# KiCad board demomatrix.kicad_pcb (continued)
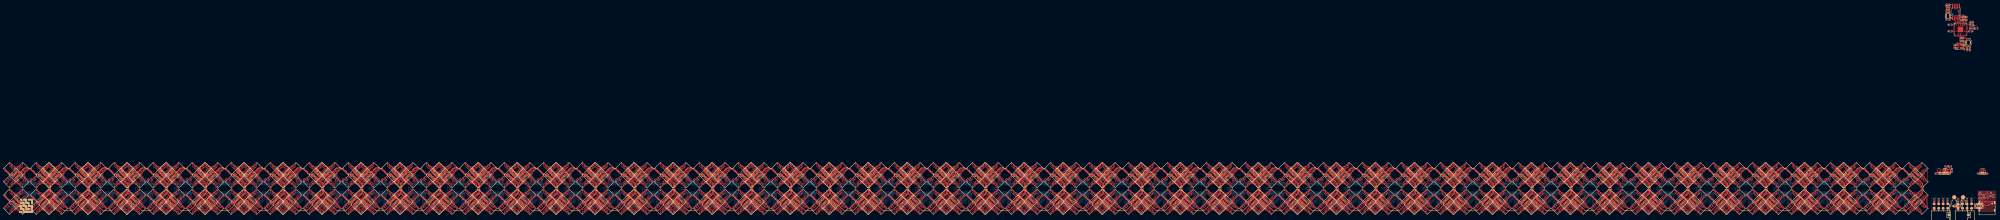
[diagram p0: board, top side]
## Routing (per net, layer and track width the routed paths; a pad name or vN(x,y) marks a point on that pad's centre or on a via; arc(x,y) is an arc through that point) (continued)
  Bottom w0.2: v1(-754.77,15.8) -754.65,15.8 ; -754.65,15.8 -754.58,15.87 ; -754.65,15.8 -754.13,16.32 -754.13,16.32 -753.78,16.67 -753.78,16.68 -753.37,17.08 -753.14,17.31 -752.79,17.66 -752.79,17.67 -752.77,17.69 -752.46,17.69 -752.37,17.69 -752.03,17.69 -749.83,19.89 -746.04,19.89 -743.24,17.09 -743.24,16.89 U116.5
rgbs[3]-cathodes-cathode-241: length 9.4
  Top w0.2: v1(-739.72,2.28) -740.41,2.97 LED384.3
  Bottom w0.2: v1(-739.72,2.28) -740.07,2.63 U116.15
rgbs[3]-cathodes-cathode-242: length 10.7
  Top w0.2: LED384.1 -741.26,2.17 v1(-740.36,1.27)
  Bottom w0.2: v1(-740.36,1.27) -740.7,1.61 U116.16
rgbs[3]-cathodes-cathode-243: length 21.3
  Top w0.2: v1(-755.23,1.21) -755.25,1.21 LED380.1
  Bottom w0.2: U116.17 -741.27,10.46 -741.27,9.75 -741.37,9.65 -741.37,6.91 -745.39,2.89 -751.86,2.89 -753.54,1.21 v1(-755.23,1.21)
rgbs[3]-cathodes-cathode-244: length 19.3
  Top w0.2: LED380.3 -754.51,2.17 v1(-754.44,2.17)
  Bottom w0.2: v1(-754.44,2.17) -753.15,2.17 -752.02,3.29 -745.56,3.29 -741.97,6.88 U116.18
rgbs[3]-cathodes-cathode-245: length 17.6
  Top w0.2: LED380.5 -753.6,2.96 v1(-753.6,2.94)
  Bottom w0.2: v1(-753.6,2.94) -752.94,2.94 -752.19,3.69 -745.72,3.69 -742.61,6.81 U116.19
rgbs[3]-cathodes-cathode-246: length 15.2
  Top w0.2: v1(-752.89,4) -752.95,4 -753.43,4.48
  Bottom w0.2: v1(-752.89,4) -752.8,4.09 -745.89,4.09 -743.24,6.74 U116.20
rgbs[3]-cathodes-cathode-247: length 17.3
  Top w0.2: LED372.3 -754.38,17.03 v1(-754.38,16.92)
  Bottom w0.2: U116.6 -742.61,17.02 -745.88,20.29 -750,20.29 -752.2,18.09 -752.62,18.09 -752.62,18.09 -752.93,18.09 -753.19,17.83 -753.19,17.83 -753.54,17.48 -753.92,17.09 -754.21,17.09 v1(-754.38,16.92)
rgbs[3]-cathodes-cathode-248: length 16.9
  Top w0.2: LED372.5 -753.79,18.14 v1(-753.79,18.08)
  Bottom w0.2: U116.7 -741.97,16.95 -745.71,20.69 -750.16,20.69 -752.37,18.49 -752.79,18.49 -753.1,18.49 -753.65,17.94 v1(-753.79,18.08)
rgbs[3]-cathodes-cathode-249: length 16.1
  Top w0.2: v1(-753.04,19.09) -753.04,19.09 -753.43,19.48
  Bottom w0.2: U116.8 -741.34,16.89 -745.55,21.09 -750.33,21.09 -752.53,18.89 -752.84,18.89 v1(-753.04,19.09)
rgbs[3]-cathodes-cathode-250: length 4.1
  Top w0.2: v1(-741.81,18.21) -741.26,17.66 LED376.1
  Bottom w0.2: v1(-741.81,18.21) -740.7,17.1 U116.9
rgbs[3]-cathodes-cathode-251: length 4.5
  Top w0.2: v1(-741.2,18.72) -741.07,18.72 LED376.3
  Bottom w0.2: v1(-741.2,18.72) -740.07,17.59 U116.10
rgbs[3]-cathodes-cathode-252: length 3.2
  Top w0.2: LED376.5 -739.42,18.78 v1(-739.42,17.52)
  Bottom w0.2: v1(-739.42,17.52) -739.43,17.51 U116.11
rgbs[3]-cathodes-cathode-253: length 3.7
  Top w0.2: -738.53,19.33 -738.53,18.27 v1(-738.79,18.01)
  Bottom w0.2: U116.12 -738.8,18 v1(-738.79,18.01)
rgbs[3]-cathodes-cathode-254: length 7.9
  Top w0.2: LED384.7 -738.72,4.74 v1(-737.98,4)
  Bottom w0.2: v1(-737.98,4) -738.8,4.82 U116.13
rgbs[3]-cathodes-cathode-255: length 8.7
  Top w0.2: LED384.5 -738.9,3.25 v1(-738.9,3.1)
  Bottom w0.2: U116.14 -739.43,3.64 v1(-738.9,3.1)
rgbs[3]-cathodes-cathode-256: length 17.9
  Top w0.2: v1(-732.77,15.8) -732.85,15.8 LED388.1
  Bottom w0.2: v1(-732.77,15.8) -732.65,15.8 ; -732.65,15.8 -732.13,16.32 -732.13,16.32 -731.78,16.67 -731.78,16.68 -731.37,17.08 -731.14,17.31 -730.79,17.66 -730.79,17.67 -730.77,17.69 -730.46,17.69 -730.37,17.69 -730.03,17.69 -727.83,19.89 -724.04,19.89 -721.24,17.09 -721.24,16.89 U121.5 ; -732.65,15.8 -732.58,15.87
rgbs[3]-cathodes-cathode-257: length 9.4
  Top w0.2: v1(-717.72,2.28) -718.41,2.97 LED400.3
  Bottom w0.2: U121.15 -718.07,2.63 v1(-717.72,2.28)
rgbs[3]-cathodes-cathode-258: length 10.7
  Top w0.2: LED400.1 -719.26,2.17 v1(-718.36,1.27)
  Bottom w0.2: U121.16 -718.7,1.61 v1(-718.36,1.27)
rgbs[3]-cathodes-cathode-259: length 21.3
  Top w0.2: v1(-733.23,1.21) -733.25,1.21 LED396.1
  Bottom w0.2: v1(-733.23,1.21) -731.54,1.21 -729.86,2.89 -723.39,2.89 -719.37,6.91 -719.37,9.65 -719.27,9.75 -719.27,10.46 U121.17
rgbs[3]-cathodes-cathode-260: length 19.3
  Top w0.2: LED396.3 -732.51,2.17 v1(-732.44,2.17)
  Bottom w0.2: v1(-732.44,2.17) -731.15,2.17 -730.02,3.29 -723.56,3.29 -719.97,6.88 U121.18
rgbs[3]-cathodes-cathode-261: length 17.6
  Top w0.2: LED396.5 -731.6,2.96 v1(-731.6,2.94)
  Bottom w0.2: v1(-731.6,2.94) -730.94,2.94 -730.19,3.69 -723.72,3.69 -720.61,6.81 U121.19
rgbs[3]-cathodes-cathode-262: length 15.2
  Top w0.2: -731.43,4.48 -730.95,4 v1(-730.89,4)
  Bottom w0.2: U121.20 -721.24,6.74 -723.89,4.09 -730.8,4.09 v1(-730.89,4)
rgbs[3]-cathodes-cathode-263: length 17.3
  Top w0.2: LED388.3 -732.38,17.03 v1(-732.38,16.92)
  Bottom w0.2: v1(-732.38,16.92) -732.21,17.09 -731.92,17.09 -731.54,17.48 -731.19,17.83 -731.19,17.83 -730.93,18.09 -730.62,18.09 -730.62,18.09 -730.2,18.09 -728,20.29 -723.88,20.29 -720.61,17.02 U121.6
rgbs[3]-cathodes-cathode-264: length 16.9
  Top w0.2: v1(-731.79,18.08) -731.79,18.14 LED388.5
  Bottom w0.2: U121.7 -719.97,16.95 -723.71,20.69 -728.16,20.69 -730.37,18.49 -730.79,18.49 -731.1,18.49 -731.65,17.94 v1(-731.79,18.08)
rgbs[3]-cathodes-cathode-265: length 16.1
  Top w0.2: v1(-731.04,19.09) -731.04,19.09 -731.43,19.48
  Bottom w0.2: U121.8 -719.34,16.89 -723.55,21.09 -728.33,21.09 -730.53,18.89 -730.84,18.89 v1(-731.04,19.09)
rgbs[3]-cathodes-cathode-266: length 4.1
  Top w0.2: LED392.1 -719.26,17.66 v1(-719.81,18.21)
  Bottom w0.2: v1(-719.81,18.21) -718.7,17.1 U121.9
rgbs[3]-cathodes-cathode-267: length 4.5
  Top w0.2: LED392.3 -719.07,18.72 v1(-719.2,18.72)
  Bottom w0.2: U121.10 -718.07,17.59 v1(-719.2,18.72)
rgbs[3]-cathodes-cathode-268: length 3.2
  Top w0.2: LED392.5 -717.42,18.78 v1(-717.42,17.52)
  Bottom w0.2: U121.11 -717.43,17.51 v1(-717.42,17.52)
rgbs[3]-cathodes-cathode-269: length 3.7
  Top w0.2: -716.53,19.33 -716.53,18.27 v1(-716.79,18.01)
  Bottom w0.2: U121.12 -716.8,18 v1(-716.79,18.01)
rgbs[3]-cathodes-cathode-270: length 7.9
  Top w0.2: v1(-715.98,4) -716.72,4.74 LED400.7
  Bottom w0.2: v1(-715.98,4) -716.8,4.82 U121.13
rgbs[3]-cathodes-cathode-271: length 8.7
  Top w0.2: v1(-716.9,3.1) -716.9,3.25 LED400.5
  Bottom w0.2: U121.14 -717.43,3.64 v1(-716.9,3.1)
rgbs[3]-cathodes-cathode-272: length 17.9
  Top w0.2: LED404.1 -710.85,15.8 v1(-710.77,15.8)
  Bottom w0.2: -710.58,15.87 -710.65,15.8 ; -710.65,15.8 -710.13,16.32 -710.13,16.32 -709.78,16.67 -709.78,16.68 -709.37,17.08 -709.14,17.31 -708.79,17.66 -708.79,17.67 -708.77,17.69 -708.46,17.69 -708.37,17.69 -708.03,17.69 -705.83,19.89 -702.04,19.89 -699.24,17.09 -699.24,16.89 U126.5 ; -710.65,15.8 v1(-710.77,15.8)
rgbs[3]-cathodes-cathode-273: length 9.4
  Top w0.2: v1(-695.72,2.28) -696.41,2.97 LED416.3
  Bottom w0.2: v1(-695.72,2.28) -696.07,2.63 U126.15
rgbs[3]-cathodes-cathode-274: length 10.7
  Top w0.2: LED416.1 -697.26,2.17 v1(-696.36,1.27)
  Bottom w0.2: U126.16 -696.7,1.61 v1(-696.36,1.27)
rgbs[3]-cathodes-cathode-275: length 21.3
  Top w0.2: v1(-711.23,1.21) -711.25,1.21 LED412.1
  Bottom w0.2: U126.17 -697.27,10.46 -697.27,9.75 -697.37,9.65 -697.37,6.91 -701.39,2.89 -707.86,2.89 -709.54,1.21 v1(-711.23,1.21)
rgbs[3]-cathodes-cathode-276: length 19.3
  Top w0.2: LED412.3 -710.51,2.17 v1(-710.44,2.17)
  Bottom w0.2: U126.18 -697.97,6.88 -701.56,3.29 -708.02,3.29 -709.15,2.17 v1(-710.44,2.17)
rgbs[3]-cathodes-cathode-277: length 17.6
  Top w0.2: LED412.5 -709.6,2.96 v1(-709.6,2.94)
  Bottom w0.2: U126.19 -698.61,6.81 -701.72,3.69 -708.19,3.69 -708.94,2.94 v1(-709.6,2.94)
rgbs[3]-cathodes-cathode-278: length 15.2
  Top w0.2: -709.43,4.48 -708.95,4 v1(-708.89,4)
  Bottom w0.2: U126.20 -699.24,6.74 -701.89,4.09 -708.8,4.09 v1(-708.89,4)
rgbs[3]-cathodes-cathode-279: length 17.3
  Top w0.2: v1(-710.38,16.92) -710.38,17.03 LED404.3
  Bottom w0.2: U126.6 -698.61,17.02 -701.88,20.29 -706,20.29 -708.2,18.09 -708.62,18.09 -708.62,18.09 -708.93,18.09 -709.19,17.83 -709.19,17.83 -709.54,17.48 -709.92,17.09 -710.21,17.09 v1(-710.38,16.92)
rgbs[3]-cathodes-cathode-280: length 16.9
  Top w0.2: LED404.5 -709.79,18.14 v1(-709.79,18.08)
  Bottom w0.2: v1(-709.79,18.08) -709.65,17.94 -709.1,18.49 -708.79,18.49 -708.7,18.49 -708.37,18.49 -706.16,20.69 -701.71,20.69 -697.97,16.95 U126.7
rgbs[3]-cathodes-cathode-281: length 16.1
  Top w0.2: v1(-709.04,19.09) -709.04,19.09 -709.43,19.48
  Bottom w0.2: U126.8 -697.34,16.89 -701.55,21.09 -706.33,21.09 -708.53,18.89 -708.84,18.89 v1(-709.04,19.09)
rgbs[3]-cathodes-cathode-282: length 4.1
  Top w0.2: v1(-697.81,18.21) -697.26,17.66 LED408.1
  Bottom w0.2: U126.9 -696.7,17.1 v1(-697.81,18.21)
rgbs[3]-cathodes-cathode-283: length 4.5
  Top w0.2: LED408.3 -697.07,18.72 v1(-697.2,18.72)
  Bottom w0.2: v1(-697.2,18.72) -696.07,17.59 U126.10
rgbs[3]-cathodes-cathode-284: length 3.2
  Top w0.2: LED408.5 -695.42,18.78 v1(-695.42,17.52)
  Bottom w0.2: v1(-695.42,17.52) -695.43,17.51 U126.11
rgbs[3]-cathodes-cathode-285: length 3.7
  Top w0.2: -694.53,19.33 -694.53,18.27 v1(-694.79,18.01)
  Bottom w0.2: U126.12 -694.8,18 v1(-694.79,18.01)
rgbs[3]-cathodes-cathode-286: length 7.9
  Top w0.2: LED416.7 -694.72,4.74 v1(-693.98,4)
  Bottom w0.2: U126.13 -694.8,4.82 v1(-693.98,4)
rgbs[3]-cathodes-cathode-287: length 8.7
  Top w0.2: v1(-694.9,3.1) -694.9,3.25 LED416.5
  Bottom w0.2: U126.14 -695.43,3.64 v1(-694.9,3.1)
rgbs[3]-cathodes-cathode-288: length 17.9
  Top w0.2: LED420.1 -688.85,15.8 v1(-688.77,15.8)
  Bottom w0.2: -688.65,15.8 -688.13,16.32 -688.13,16.32 -687.78,16.67 -687.78,16.68 -687.37,17.08 -687.14,17.31 -686.79,17.66 -686.79,17.67 -686.77,17.69 -686.46,17.69 -686.37,17.69 -686.03,17.69 -683.83,19.89 -680.04,19.89 -677.24,17.09 -677.24,16.89 U131.5 ; -688.65,15.8 v1(-688.77,15.8) ; -688.65,15.8 -688.58,15.87
rgbs[3]-cathodes-cathode-289: length 9.4
  Top w0.2: LED432.3 -674.41,2.97 v1(-673.72,2.28)
  Bottom w0.2: U131.15 -674.07,2.63 v1(-673.72,2.28)
rgbs[3]-cathodes-cathode-290: length 10.7
  Top w0.2: v1(-674.36,1.27) -675.26,2.17 LED432.1
  Bottom w0.2: U131.16 -674.7,1.61 v1(-674.36,1.27)
rgbs[3]-cathodes-cathode-291: length 21.3
  Top w0.2: LED428.1 -689.25,1.21 v1(-689.23,1.21)
  Bottom w0.2: U131.17 -675.27,10.46 -675.27,9.75 -675.37,9.65 -675.37,6.91 -679.39,2.89 -685.86,2.89 -687.54,1.21 v1(-689.23,1.21)
rgbs[3]-cathodes-cathode-292: length 19.3
  Top w0.2: LED428.3 -688.51,2.17 v1(-688.44,2.17)
  Bottom w0.2: v1(-688.44,2.17) -687.15,2.17 -686.02,3.29 -679.56,3.29 -675.97,6.88 U131.18
rgbs[3]-cathodes-cathode-293: length 17.6
  Top w0.2: v1(-687.6,2.94) -687.6,2.96 LED428.5
  Bottom w0.2: v1(-687.6,2.94) -686.94,2.94 -686.19,3.69 -679.72,3.69 -676.61,6.81 U131.19
rgbs[3]-cathodes-cathode-294: length 15.2
  Top w0.2: v1(-686.89,4) -686.95,4 -687.43,4.48
  Bottom w0.2: U131.20 -677.24,6.74 -679.89,4.09 -686.8,4.09 v1(-686.89,4)
rgbs[3]-cathodes-cathode-295: length 17.3
  Top w0.2: LED420.3 -688.38,17.03 v1(-688.38,16.92)
  Bottom w0.2: U131.6 -676.61,17.02 -679.88,20.29 -684,20.29 -686.2,18.09 -686.62,18.09 -686.62,18.09 -686.93,18.09 -687.19,17.83 -687.19,17.83 -687.54,17.48 -687.92,17.09 -688.21,17.09 v1(-688.38,16.92)
rgbs[3]-cathodes-cathode-296: length 16.9
  Top w0.2: LED420.5 -687.79,18.14 v1(-687.79,18.08)
  Bottom w0.2: U131.7 -675.97,16.95 -679.71,20.69 -684.16,20.69 -686.37,18.49 -686.79,18.49 -687.1,18.49 -687.65,17.94 v1(-687.79,18.08)
rgbs[3]-cathodes-cathode-297: length 16.1
  Top w0.2: v1(-687.04,19.09) -687.04,19.09 -687.43,19.48
  Bottom w0.2: v1(-687.04,19.09) -686.84,18.89 -686.53,18.89 -684.33,21.09 -679.55,21.09 -675.34,16.89 U131.8
rgbs[3]-cathodes-cathode-298: length 4.1
  Top w0.2: LED424.1 -675.26,17.66 v1(-675.81,18.21)
  Bottom w0.2: v1(-675.81,18.21) -674.7,17.1 U131.9
rgbs[3]-cathodes-cathode-299: length 4.5
  Top w0.2: LED424.3 -675.07,18.72 v1(-675.2,18.72)
  Bottom w0.2: U131.10 -674.07,17.59 v1(-675.2,18.72)
rgbs[3]-cathodes-cathode-300: length 3.2
  Top w0.2: LED424.5 -673.42,18.78 v1(-673.42,17.52)
  Bottom w0.2: v1(-673.42,17.52) -673.43,17.51 U131.11
rgbs[3]-cathodes-cathode-301: length 3.7
  Top w0.2: v1(-672.79,18.01) -672.53,18.27 -672.53,19.33
  Bottom w0.2: U131.12 -672.8,18 v1(-672.79,18.01)
rgbs[3]-cathodes-cathode-302: length 7.9
  Top w0.2: v1(-671.98,4) -672.72,4.74 LED432.7
  Bottom w0.2: U131.13 -672.8,4.82 v1(-671.98,4)
rgbs[3]-cathodes-cathode-303: length 8.7
  Top w0.2: v1(-672.9,3.1) -672.9,3.25 LED432.5
  Bottom w0.2: U131.14 -673.43,3.64 v1(-672.9,3.1)
rgbs[3]-cathodes-cathode-304: length 17.9
  Top w0.2: v1(-666.77,15.8) -666.85,15.8 LED436.1
  Bottom w0.2: -666.58,15.87 -666.65,15.8 ; -666.65,15.8 v1(-666.77,15.8) ; -666.65,15.8 -666.13,16.32 -666.13,16.32 -665.78,16.67 -665.78,16.68 -665.37,17.08 -665.14,17.31 -664.79,17.66 -664.79,17.67 -664.77,17.69 -664.46,17.69 -664.37,17.69 -664.03,17.69 -661.83,19.89 -658.04,19.89 -655.24,17.09 -655.24,16.89 U136.5
rgbs[3]-cathodes-cathode-305: length 9.4
  Top w0.2: LED448.3 -652.41,2.97 v1(-651.72,2.28)
  Bottom w0.2: U136.15 -652.07,2.63 v1(-651.72,2.28)
rgbs[3]-cathodes-cathode-306: length 10.7
  Top w0.2: v1(-652.36,1.27) -653.26,2.17 LED448.1
  Bottom w0.2: U136.16 -652.7,1.61 v1(-652.36,1.27)
rgbs[3]-cathodes-cathode-307: length 21.3
  Top w0.2: v1(-667.23,1.21) -667.25,1.21 LED444.1
  Bottom w0.2: U136.17 -653.27,10.46 -653.27,9.75 -653.37,9.65 -653.37,6.91 -657.39,2.89 -663.86,2.89 -665.54,1.21 v1(-667.23,1.21)
rgbs[3]-cathodes-cathode-308: length 19.3
  Top w0.2: LED444.3 -666.51,2.17 v1(-666.44,2.17)
  Bottom w0.2: v1(-666.44,2.17) -665.15,2.17 -664.02,3.29 -657.56,3.29 -653.97,6.88 U136.18
rgbs[3]-cathodes-cathode-309: length 17.6
  Top w0.2: LED444.5 -665.6,2.96 v1(-665.6,2.94)
  Bottom w0.2: U136.19 -654.61,6.81 -657.72,3.69 -664.19,3.69 -664.94,2.94 v1(-665.6,2.94)
rgbs[3]-cathodes-cathode-310: length 15.2
  Top w0.2: v1(-664.89,4) -664.95,4 -665.43,4.48
  Bottom w0.2: v1(-664.89,4) -664.8,4.09 -657.89,4.09 -655.24,6.74 U136.20
rgbs[3]-cathodes-cathode-311: length 17.3
  Top w0.2: LED436.3 -666.38,17.03 v1(-666.38,16.92)
  Bottom w0.2: v1(-666.38,16.92) -666.21,17.09 -665.92,17.09 -665.54,17.48 -665.19,17.83 -665.19,17.83 -664.93,18.09 -664.62,18.09 -664.62,18.09 -664.2,18.09 -662,20.29 -657.88,20.29 -654.61,17.02 U136.6
rgbs[3]-cathodes-cathode-312: length 16.9
  Top w0.2: LED436.5 -665.79,18.14 v1(-665.79,18.08)
  Bottom w0.2: U136.7 -653.97,16.95 -657.71,20.69 -662.16,20.69 -664.37,18.49 -664.79,18.49 -665.1,18.49 -665.65,17.94 v1(-665.79,18.08)
rgbs[3]-cathodes-cathode-313: length 16.1
  Top w0.2: v1(-665.04,19.09) -665.04,19.09 -665.43,19.48
  Bottom w0.2: U136.8 -653.34,16.89 -657.55,21.09 -662.33,21.09 -664.53,18.89 -664.84,18.89 v1(-665.04,19.09)
rgbs[3]-cathodes-cathode-314: length 4.1
  Top w0.2: v1(-653.81,18.21) -653.26,17.66 LED440.1
  Bottom w0.2: U136.9 -652.7,17.1 v1(-653.81,18.21)
rgbs[3]-cathodes-cathode-315: length 4.5
  Top w0.2: v1(-653.2,18.72) -653.07,18.72 LED440.3
  Bottom w0.2: v1(-653.2,18.72) -652.07,17.59 U136.10
rgbs[3]-cathodes-cathode-316: length 3.2
  Top w0.2: LED440.5 -651.42,18.78 v1(-651.42,17.52)
  Bottom w0.2: v1(-651.42,17.52) -651.43,17.51 U136.11
rgbs[3]-cathodes-cathode-317: length 3.7
  Top w0.2: -650.53,19.33 -650.53,18.27 v1(-650.79,18.01)
  Bottom w0.2: U136.12 -650.8,18 v1(-650.79,18.01)
rgbs[3]-cathodes-cathode-318: length 7.9
  Top w0.2: LED448.7 -650.72,4.74 v1(-649.98,4)
  Bottom w0.2: U136.13 -650.8,4.82 v1(-649.98,4)
rgbs[3]-cathodes-cathode-319: length 8.7
  Top w0.2: LED448.5 -650.9,3.25 v1(-650.9,3.1)
  Bottom w0.2: v1(-650.9,3.1) -651.43,3.64 U136.14
rgbs[3]-cathodes-cathode-320: length 17.9
  Top w0.2: LED452.1 -644.85,15.8 v1(-644.77,15.8)
  Bottom w0.2: v1(-644.77,15.8) -644.65,15.8 ; -644.65,15.8 -644.58,15.87 ; -644.65,15.8 -644.13,16.32 -644.13,16.32 -643.78,16.67 -643.78,16.68 -643.37,17.08 -643.14,17.31 -642.79,17.66 -642.79,17.67 -642.77,17.69 -642.46,17.69 -642.37,17.69 -642.03,17.69 -639.83,19.89 -636.04,19.89 -633.24,17.09 -633.24,16.89 U141.5
rgbs[3]-cathodes-cathode-321: length 9.4
  Top w0.2: v1(-629.72,2.28) -630.41,2.97 LED464.3
  Bottom w0.2: v1(-629.72,2.28) -630.07,2.63 U141.15
rgbs[3]-cathodes-cathode-322: length 10.7
  Top w0.2: v1(-630.36,1.27) -631.26,2.17 LED464.1
  Bottom w0.2: v1(-630.36,1.27) -630.7,1.61 U141.16
rgbs[3]-cathodes-cathode-323: length 21.3
  Top w0.2: v1(-645.23,1.21) -645.25,1.21 LED460.1
  Bottom w0.2: v1(-645.23,1.21) -643.54,1.21 -641.86,2.89 -635.39,2.89 -631.37,6.91 -631.37,9.65 -631.27,9.75 -631.27,10.46 U141.17
rgbs[3]-cathodes-cathode-324: length 19.3
  Top w0.2: v1(-644.44,2.17) -644.51,2.17 LED460.3
  Bottom w0.2: v1(-644.44,2.17) -643.15,2.17 -642.02,3.29 -635.56,3.29 -631.97,6.88 U141.18
rgbs[3]-cathodes-cathode-325: length 17.6
  Top w0.2: v1(-643.6,2.94) -643.6,2.96 LED460.5
  Bottom w0.2: U141.19 -632.61,6.81 -635.72,3.69 -642.19,3.69 -642.94,2.94 v1(-643.6,2.94)
rgbs[3]-cathodes-cathode-326: length 15.2
  Top w0.2: -643.43,4.48 -642.95,4 v1(-642.89,4)
  Bottom w0.2: v1(-642.89,4) -642.8,4.09 -635.89,4.09 -633.24,6.74 U141.20
rgbs[3]-cathodes-cathode-327: length 17.3
  Top w0.2: v1(-644.38,16.92) -644.38,17.03 LED452.3
  Bottom w0.2: v1(-644.38,16.92) -644.21,17.09 -643.92,17.09 -643.54,17.48 -643.19,17.83 -643.19,17.83 -642.93,18.09 -642.62,18.09 -642.62,18.09 -642.2,18.09 -640,20.29 -635.88,20.29 -632.61,17.02 U141.6
rgbs[3]-cathodes-cathode-328: length 16.9
  Top w0.2: LED452.5 -643.79,18.14 v1(-643.79,18.08)
  Bottom w0.2: v1(-643.79,18.08) -643.65,17.94 -643.1,18.49 -642.79,18.49 -642.7,18.49 -642.37,18.49 -640.16,20.69 -635.71,20.69 -631.97,16.95 U141.7
rgbs[3]-cathodes-cathode-329: length 16.1
  Top w0.2: v1(-643.04,19.09) -643.04,19.09 -643.43,19.48
  Bottom w0.2: U141.8 -631.34,16.89 -635.55,21.09 -640.33,21.09 -642.53,18.89 -642.84,18.89 v1(-643.04,19.09)
rgbs[3]-cathodes-cathode-330: length 4.1
  Top w0.2: v1(-631.81,18.21) -631.26,17.66 LED456.1
  Bottom w0.2: U141.9 -630.7,17.1 v1(-631.81,18.21)
rgbs[3]-cathodes-cathode-331: length 4.5
  Top w0.2: LED456.3 -631.07,18.72 v1(-631.2,18.72)
  Bottom w0.2: U141.10 -630.07,17.59 v1(-631.2,18.72)
rgbs[3]-cathodes-cathode-332: length 3.2
  Top w0.2: v1(-629.42,17.52) -629.42,18.78 LED456.5
  Bottom w0.2: U141.11 -629.43,17.51 v1(-629.42,17.52)
rgbs[3]-cathodes-cathode-333: length 3.7
  Top w0.2: v1(-628.79,18.01) -628.53,18.27 -628.53,19.33
  Bottom w0.2: U141.12 -628.8,18 v1(-628.79,18.01)
rgbs[3]-cathodes-cathode-334: length 7.9
  Top w0.2: LED464.7 -628.72,4.74 v1(-627.98,4)
  Bottom w0.2: U141.13 -628.8,4.82 v1(-627.98,4)
rgbs[3]-cathodes-cathode-335: length 8.7
  Top w0.2: LED464.5 -628.9,3.25 v1(-628.9,3.1)
  Bottom w0.2: v1(-628.9,3.1) -629.43,3.64 U141.14
rgbs[3]-cathodes-cathode-336: length 17.9
  Top w0.2: v1(-622.77,15.8) -622.85,15.8 LED468.1
  Bottom w0.2: -622.58,15.87 -622.65,15.8 ; -622.65,15.8 -622.13,16.32 -622.13,16.32 -621.78,16.67 -621.78,16.68 -621.37,17.08 -621.14,17.31 -620.79,17.66 -620.79,17.67 -620.77,17.69 -620.46,17.69 -620.37,17.69 -620.03,17.69 -617.83,19.89 -614.04,19.89 -611.24,17.09 -611.24,16.89 U146.5 ; -622.65,15.8 v1(-622.77,15.8)
rgbs[3]-cathodes-cathode-337: length 9.4
  Top w0.2: LED480.3 -608.41,2.97 v1(-607.72,2.28)
  Bottom w0.2: U146.15 -608.07,2.63 v1(-607.72,2.28)
rgbs[3]-cathodes-cathode-338: length 10.7
  Top w0.2: LED480.1 -609.26,2.17 v1(-608.36,1.27)
  Bottom w0.2: U146.16 -608.7,1.61 v1(-608.36,1.27)
rgbs[3]-cathodes-cathode-339: length 21.3
  Top w0.2: v1(-623.23,1.21) -623.25,1.21 LED476.1
  Bottom w0.2: U146.17 -609.27,10.46 -609.27,9.75 -609.37,9.65 -609.37,6.91 -613.39,2.89 -619.86,2.89 -621.54,1.21 v1(-623.23,1.21)
rgbs[3]-cathodes-cathode-340: length 19.3
  Top w0.2: LED476.3 -622.51,2.17 v1(-622.44,2.17)
  Bottom w0.2: v1(-622.44,2.17) -621.15,2.17 -620.02,3.29 -613.56,3.29 -609.97,6.88 U146.18
rgbs[3]-cathodes-cathode-341: length 17.6
  Top w0.2: LED476.5 -621.6,2.96 v1(-621.6,2.94)
  Bottom w0.2: U146.19 -610.61,6.81 -613.72,3.69 -620.19,3.69 -620.94,2.94 v1(-621.6,2.94)
rgbs[3]-cathodes-cathode-342: length 15.2
  Top w0.2: v1(-620.89,4) -620.95,4 -621.43,4.48
  Bottom w0.2: v1(-620.89,4) -620.8,4.09 -613.89,4.09 -611.24,6.74 U146.20
rgbs[3]-cathodes-cathode-343: length 17.3
  Top w0.2: LED468.3 -622.38,17.03 v1(-622.38,16.92)
  Bottom w0.2: v1(-622.38,16.92) -622.21,17.09 -621.92,17.09 -621.54,17.48 -621.19,17.83 -621.19,17.83 -620.93,18.09 -620.62,18.09 -620.62,18.09 -620.2,18.09 -618,20.29 -613.88,20.29 -610.61,17.02 U146.6
rgbs[3]-cathodes-cathode-344: length 16.9
  Top w0.2: v1(-621.79,18.08) -621.79,18.14 LED468.5
  Bottom w0.2: U146.7 -609.97,16.95 -613.71,20.69 -618.16,20.69 -620.37,18.49 -620.79,18.49 -621.1,18.49 -621.65,17.94 v1(-621.79,18.08)
rgbs[3]-cathodes-cathode-345: length 16.1
  Top w0.2: v1(-621.04,19.09) -621.04,19.09 -621.43,19.48
  Bottom w0.2: U146.8 -609.34,16.89 -613.55,21.09 -618.33,21.09 -620.53,18.89 -620.84,18.89 v1(-621.04,19.09)
rgbs[3]-cathodes-cathode-346: length 4.1
  Top w0.2: v1(-609.81,18.21) -609.26,17.66 LED472.1
  Bottom w0.2: v1(-609.81,18.21) -608.7,17.1 U146.9
rgbs[3]-cathodes-cathode-347: length 4.5
  Top w0.2: v1(-609.2,18.72) -609.07,18.72 LED472.3
  Bottom w0.2: U146.10 -608.07,17.59 v1(-609.2,18.72)
rgbs[3]-cathodes-cathode-348: length 3.2
  Top w0.2: LED472.5 -607.42,18.78 v1(-607.42,17.52)
  Bottom w0.2: U146.11 -607.43,17.51 v1(-607.42,17.52)
rgbs[3]-cathodes-cathode-349: length 3.7
  Top w0.2: v1(-606.79,18.01) -606.53,18.27 -606.53,19.33
  Bottom w0.2: U146.12 -606.8,18 v1(-606.79,18.01)
rgbs[3]-cathodes-cathode-350: length 7.9
  Top w0.2: v1(-605.98,4) -606.72,4.74 LED480.7
  Bottom w0.2: U146.13 -606.8,4.82 v1(-605.98,4)
rgbs[3]-cathodes-cathode-351: length 8.7
  Top w0.2: LED480.5 -606.9,3.25 v1(-606.9,3.1)
  Bottom w0.2: v1(-606.9,3.1) -607.43,3.64 U146.14
rgbs[3]-cathodes-cathode-352: length 17.9
  Top w0.2: LED36.1 -600.85,15.8 v1(-600.77,15.8)
  Bottom w0.2: U11.5 -589.24,16.89 -589.24,17.09 -592.04,19.89 -595.83,19.89 -598.03,17.69 -598.46,17.69 -598.77,17.69 -598.79,17.67 -598.79,17.66 -599.37,17.08 -599.52,16.93 -599.78,16.68 -599.78,16.67 -600.13,16.32 -600.13,16.32 -600.65,15.8 ; -600.58,15.87 -600.65,15.8 ; -600.65,15.8 v1(-600.77,15.8)
rgbs[3]-cathodes-cathode-353: length 9.4
  Top w0.2: LED48.3 -586.41,2.97 v1(-585.72,2.28)
  Bottom w0.2: U11.15 -586.07,2.63 v1(-585.72,2.28)
rgbs[3]-cathodes-cathode-354: length 10.7
  Top w0.2: v1(-586.36,1.27) -587.26,2.17 LED48.1
  Bottom w0.2: U11.16 -586.7,1.61 v1(-586.36,1.27)
rgbs[3]-cathodes-cathode-355: length 21.3
  Top w0.2: LED44.1 -601.25,1.21 v1(-601.23,1.21)
  Bottom w0.2: v1(-601.23,1.21) -599.54,1.21 -597.86,2.89 -591.39,2.89 -587.37,6.91 -587.37,9.65 -587.27,9.75 -587.27,10.46 U11.17
rgbs[3]-cathodes-cathode-356: length 19.3
  Top w0.2: LED44.3 -600.51,2.17 v1(-600.44,2.17)
  Bottom w0.2: v1(-600.44,2.17) -599.15,2.17 -598.02,3.29 -591.56,3.29 -587.97,6.88 U11.18
rgbs[3]-cathodes-cathode-357: length 17.6
  Top w0.2: LED44.5 -599.6,2.96 v1(-599.6,2.94)
  Bottom w0.2: U11.19 -588.61,6.81 -591.72,3.69 -598.19,3.69 -598.94,2.94 v1(-599.6,2.94)
rgbs[3]-cathodes-cathode-358: length 15.2
  Top w0.2: -599.43,4.48 -598.95,4 v1(-598.89,4)
  Bottom w0.2: v1(-598.89,4) -598.8,4.09 -591.89,4.09 -589.24,6.74 U11.20
rgbs[3]-cathodes-cathode-359: length 17.3
  Top w0.2: LED36.3 -600.38,17.03 v1(-600.38,16.92)
  Bottom w0.2: v1(-600.38,16.92) -600.21,17.09 -599.92,17.09 -599.54,17.48 -599.19,17.83 -599.19,17.83 -598.93,18.09 -598.62,18.09 -598.62,18.09 -598.2,18.09 -596,20.29 -591.88,20.29 -588.61,17.02 U11.6
rgbs[3]-cathodes-cathode-360: length 16.9
  Top w0.2: v1(-599.79,18.08) -599.79,18.14 LED36.5
  Bottom w0.2: v1(-599.79,18.08) -599.65,17.94 -599.1,18.49 -598.79,18.49 -598.7,18.49 -598.37,18.49 -596.16,20.69 -591.71,20.69 -587.97,16.95 U11.7
rgbs[3]-cathodes-cathode-361: length 16.1
  Top w0.2: -599.43,19.48 -599.04,19.09 v1(-599.04,19.09)
  Bottom w0.2: U11.8 -587.34,16.89 -591.55,21.09 -596.33,21.09 -598.53,18.89 -598.84,18.89 v1(-599.04,19.09)
rgbs[3]-cathodes-cathode-362: length 4.1
  Top w0.2: v1(-587.81,18.21) -587.26,17.66 LED40.1
  Bottom w0.2: U11.9 -586.7,17.1 v1(-587.81,18.21)
rgbs[3]-cathodes-cathode-363: length 4.5
  Top w0.2: LED40.3 -587.07,18.72 v1(-587.2,18.72)
  Bottom w0.2: U11.10 -586.07,17.59 v1(-587.2,18.72)
rgbs[3]-cathodes-cathode-364: length 3.2
  Top w0.2: v1(-585.42,17.52) -585.42,18.78 LED40.5
  Bottom w0.2: U11.11 -585.43,17.51 v1(-585.42,17.52)
rgbs[3]-cathodes-cathode-365: length 3.7
  Top w0.2: v1(-584.79,18.01) -584.53,18.27 -584.53,19.33
  Bottom w0.2: v1(-584.79,18.01) -584.8,18 U11.12
rgbs[3]-cathodes-cathode-366: length 7.9
  Top w0.2: LED48.7 -584.72,4.74 v1(-583.98,4)
  Bottom w0.2: U11.13 -584.8,4.82 v1(-583.98,4)
rgbs[3]-cathodes-cathode-367: length 8.7
  Top w0.2: LED48.5 -584.9,3.25 v1(-584.9,3.1)
  Bottom w0.2: v1(-584.9,3.1) -585.43,3.64 U11.14
rgbs[3]-cathodes-cathode-368: length 17.9
  Top w0.2: LED484.1 -578.85,15.8 v1(-578.77,15.8)
  Bottom w0.2: -578.58,15.87 -578.65,15.8 ; -578.65,15.8 -578.13,16.32 -578.13,16.32 -577.78,16.67 -577.78,16.68 -577.37,17.08 -577.14,17.31 -576.79,17.66 -576.79,17.67 -576.77,17.69 -576.46,17.69 -576.37,17.69 -576.03,17.69 -573.83,19.89 -570.04,19.89 -567.24,17.09 -567.24,16.89 U151.5 ; -578.65,15.8 v1(-578.77,15.8)
rgbs[3]-cathodes-cathode-369: length 9.4
  Top w0.2: LED496.3 -564.41,2.97 v1(-563.72,2.28)
  Bottom w0.2: v1(-563.72,2.28) -564.07,2.63 U151.15
